# Altium PCB Hvamp_32.PCBDOC (part 5 of 6) (continued)
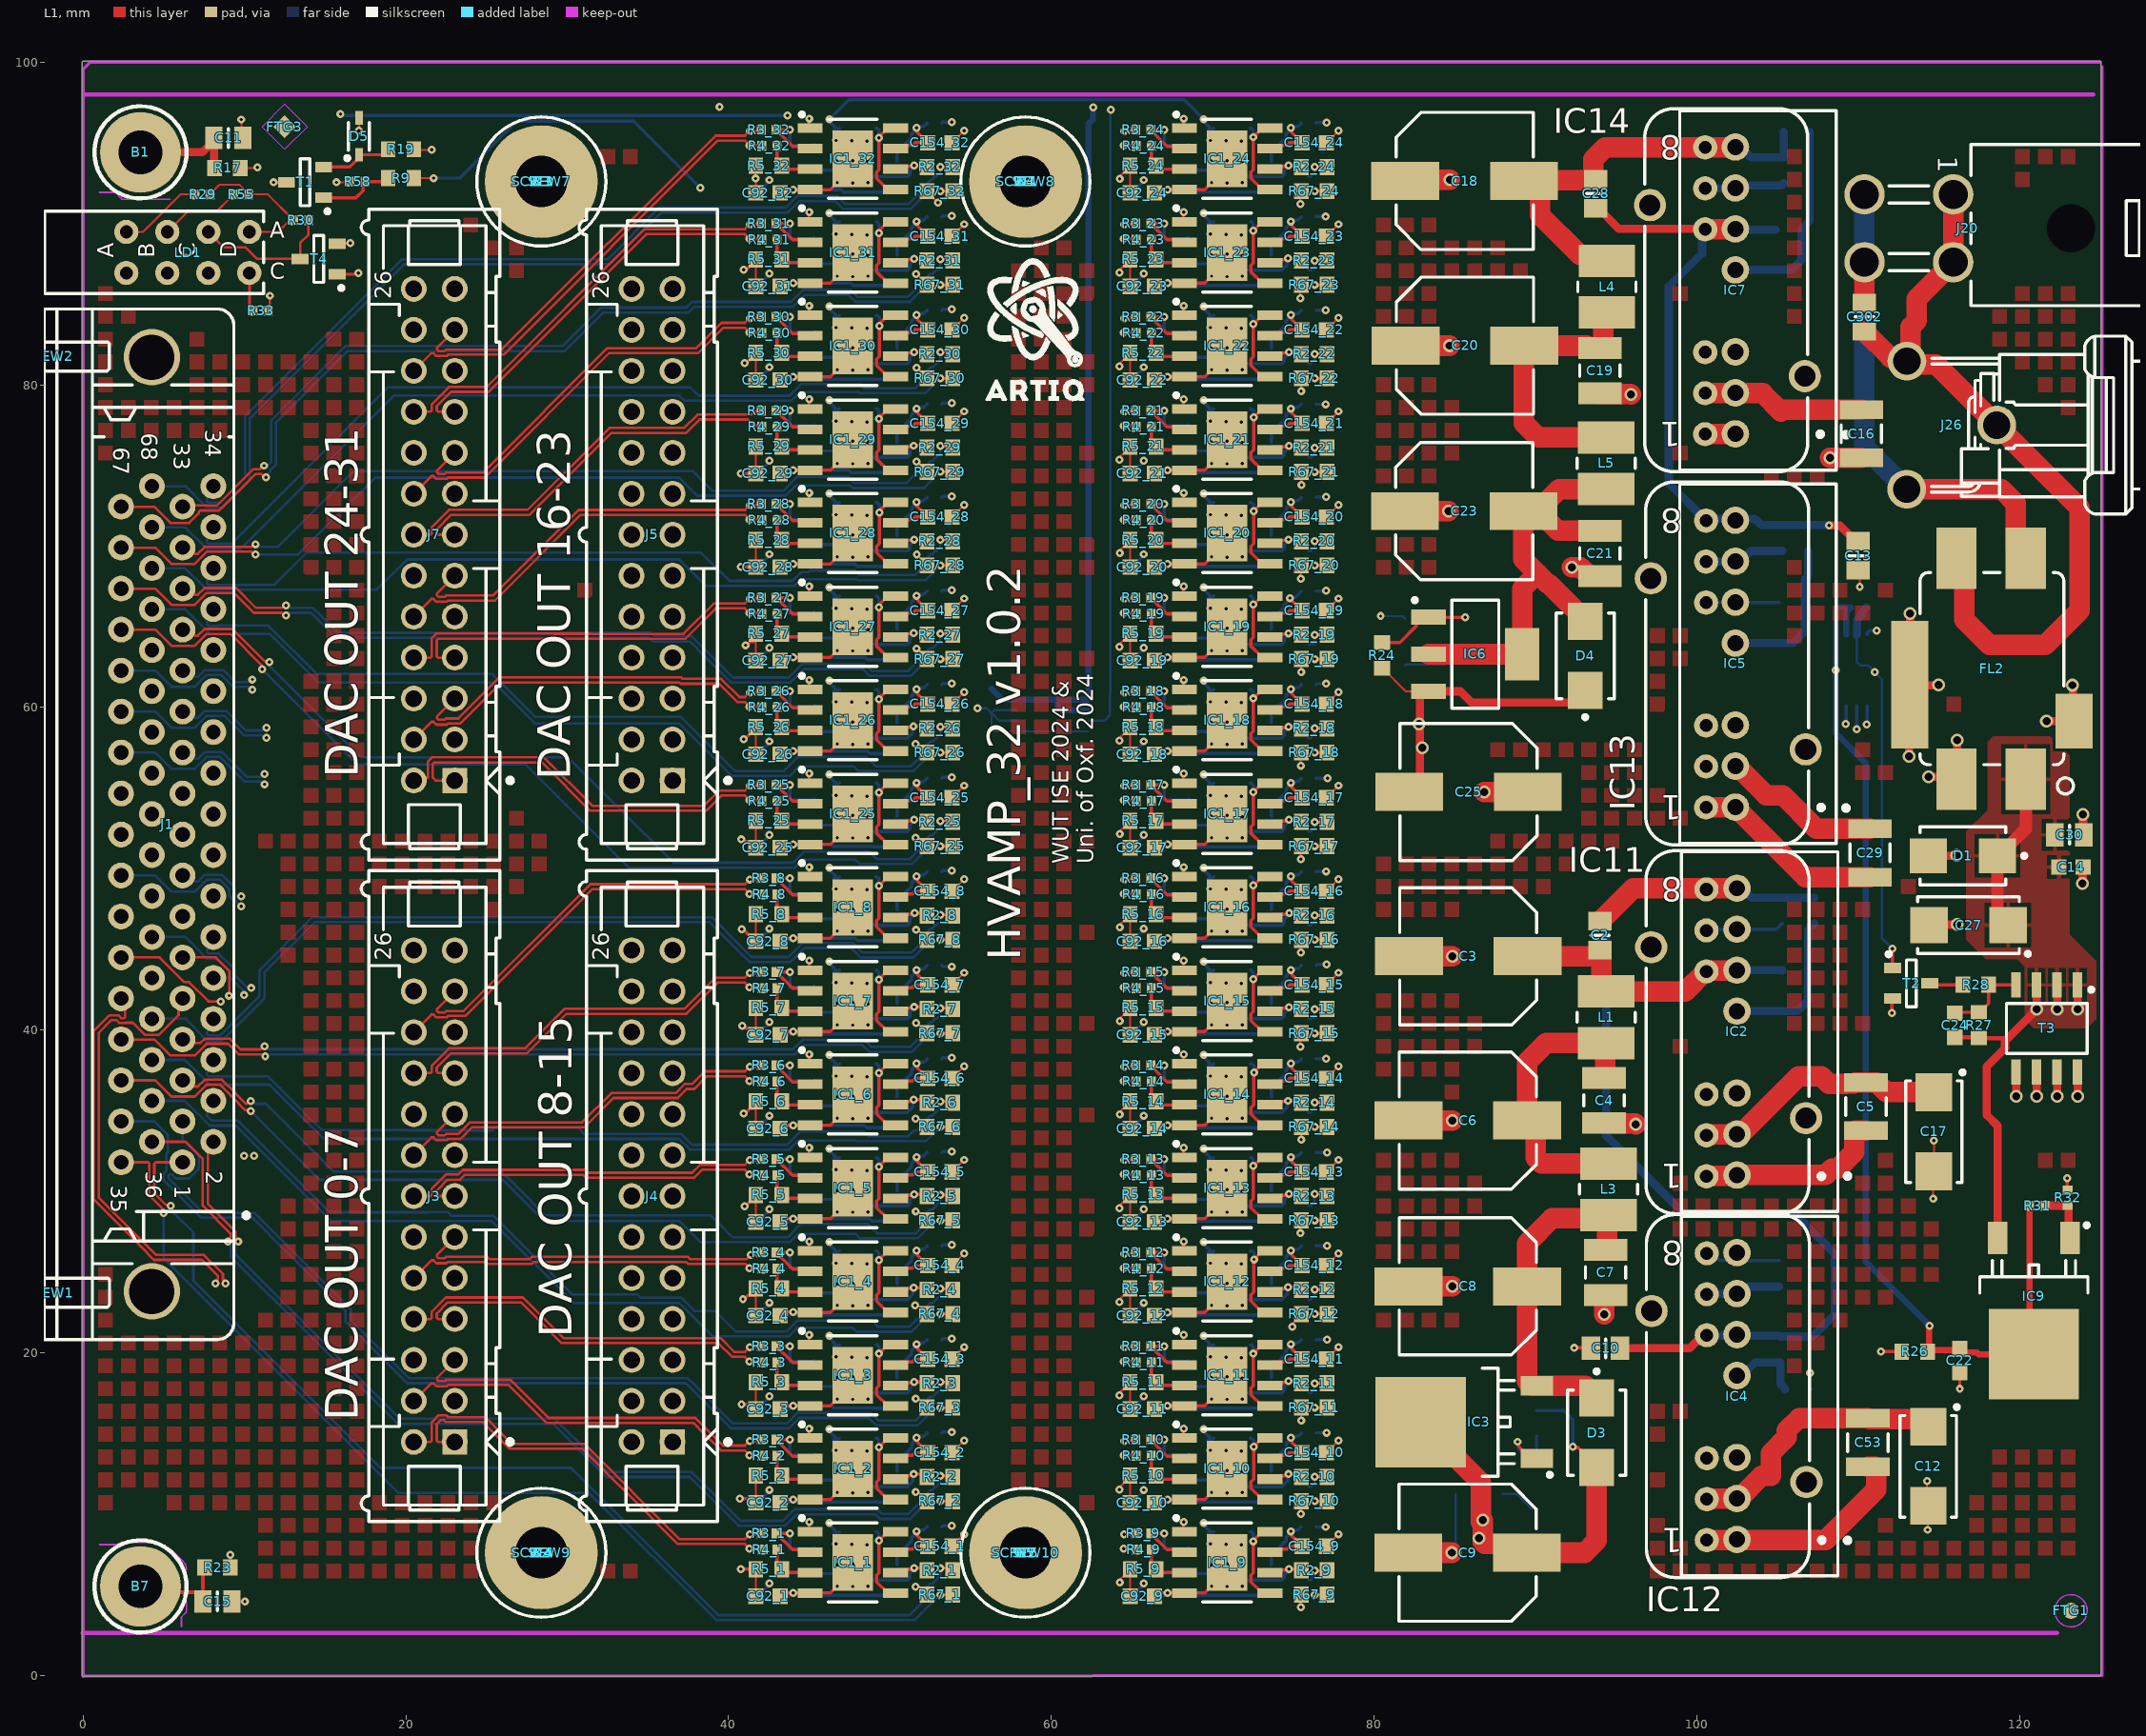
[diagram p0: L1 view]
## Nets (pads, with @x,y where several pads share a name; then routed paths per layer and width w, separated by ;. In a path a pad name is that pad's centre, name@x,y a point inside that pad or via, vN(x,y) a via of type N, cw(c..) or ccw(c..) an arc to the next point about the centre after c; other vN are vias at no path point) (continued)
NetIC1_21_3: IC1_21.3 R4_21.2 R5_21.2 | length 3.2
  L1 w0.203: R4_21.2@66.2,77.4 66.2,76.468 66.703,75.965 IC1_21.3@68.25,75.965
NetIC1_22_3: IC1_22.3 R4_22.2 R5_22.2 | length 3.2
  L1 w0.203: R4_22.2@66.2,83.2 66.2,82.268 66.703,81.765 IC1_22.3@68.25,81.765
NetIC1_23_3: IC1_23.3 R4_23.2 R5_23.2 | length 3.2
  L1 w0.203: R4_23.2@66.2,89 66.2,88.068 66.703,87.565 IC1_23.3@68.25,87.565
NetIC1_24_3: IC1_24.3 R4_24.2 R5_24.2 | length 3.2
  L1 w0.203: R4_24.2@66.2,94.8 66.2,93.868 66.703,93.365 IC1_24.3@68.25,93.365
NetIC1_25_3: IC1_25.3 R4_25.2 R5_25.2 | length 3.2
  L1 w0.203: R4_25.2@43,54.2 43,53.268 43.503,52.765 IC1_25.3@45.05,52.765
NetIC1_26_3: IC1_26.3 R4_26.2 R5_26.2 | length 3.2
  L1 w0.203: R4_26.2@43,60 43,59.068 43.503,58.565 IC1_26.3@45.05,58.565
NetIC1_27_3: IC1_27.3 R4_27.2 R5_27.2 | length 3.2
  L1 w0.203: R4_27.2@43,65.8 43,64.868 43.503,64.365 IC1_27.3@45.05,64.365
NetIC1_28_3: IC1_28.3 R4_28.2 R5_28.2 | length 3.2
  L1 w0.203: R4_28.2@43,71.6 43,70.668 43.503,70.165 IC1_28.3@45.05,70.165
NetIC1_29_3: IC1_29.3 R4_29.2 R5_29.2 | length 3.2
  L1 w0.203: R4_29.2@43,77.4 43,76.468 43.503,75.965 IC1_29.3@45.05,75.965
NetIC1_30_3: IC1_30.3 R4_30.2 R5_30.2 | length 3.2
  L1 w0.203: R4_30.2@43,83.2 43,82.268 43.503,81.765 IC1_30.3@45.05,81.765
NetIC1_31_3: IC1_31.3 R4_31.2 R5_31.2 | length 3.2
  L1 w0.203: R4_31.2@43,89 43,88.068 43.503,87.565 IC1_31.3@45.05,87.565
NetIC1_32_3: IC1_32.3 R4_32.2 R5_32.2 | length 3.2
  L1 w0.203: R4_32.2@43,94.8 43,93.868 43.503,93.365 IC1_32.3@45.05,93.365
NetIC2_5: IC2.5 R6.1 R8.1 | length 9.6
  L6 w0.508: IC2.5@102.5,41.17 106.245,41.17 106.9,41.825 R6.1@106.9,43.7 106.9,46.2 107.054,46.354 107.054,46.404 107.25,46.6 R8.1@107.3,46.6
NetIC3_1: IC3.1 R10.1 R13.2 | length 5.3
  L1 w0.203: v1(88.9,14.478) 88.957,14.421 88.957,14.188 89.698,13.447 IC3.1@90.098,13.447
  L6 w0.203: v1(88.9,14.478) 88.957,14.421 88.957,14.022 89.743,13.236 R13.2@90.068,13.236 90.068,14.796 R10.1@90.094,14.821
NetIC4_5: IC4.5 R11.1 R14.1 | length 4.9
  L6 w0.508: IC4.5@102.5,18.58 102.823,18.58 103.643,19.4 R11.1@105.2,19.4 105.2,18.05 105.5,17.75 R14.1@105.5,17.7
NetIC5_5: IC5.5 R15.1 R18.1 | length 9.7
  L6 w0.508: IC5.5@102.4,63.98 105.966,63.98 106.7,64.714 R15.1@106.7,66.5 106.7,67.927 106.9,68.127 R18.1@106.9,69.7
NetIC6_1: IC6.1 R24.1 R34.2 | length 7.7
  L1 w0.203: R24.1@80.094,64.369 80.443,64.021 R24.1@80.493,64.021 81.603,64.021 82.602,65.02 82.602,65.223 82.976,65.597 IC6.1@83.384,65.597 83.398,65.583 v1(85.649,65.583)
  L6 w0.203: R34.2@84.404,65.56 84.427,65.583 v1(85.649,65.583)
NetIC7_5: IC7.5 R21.1 R25.1 | length 12.5
  L6 w0.508: IC7.5@102.4,87.12 105.891,87.12 106.5,87.729 R21.1@106.5,89.6 106.5,89.65 107,90.15 R25.1@107,95.7
NetIC8_3: IC8.3 IC10.3 R33.1 R46.2 T2.1 | length 213
  L1 w0.152: R33.1@11.47,84.6 11.582,84.712 v1(11.582,85.522)
  L1 w0.203: v1(112.141,45.034) 112.141,43.859 T2.1@112.15,43.85
  L2 w0.152: v1(11.582,85.522) 12.253,86.193 12.253,94.651 16.002,98.4 60.604,98.4 60.909,98.095 60.909,98.069 62.408,96.571 63.221,96.571 v1(63.703,97.053) 64.618,97.968 89.637,97.968 91.999,95.606 91.999,82.017 89.179,79.197 89.179,63.754 91.542,61.392 110.261,61.392 v1(111.049,62.179)
  L6 w0.152: IC8.3@62.3,59.175 63.29,59.175 63.627,59.512 63.627,60.935 63.678,60.985 63.678,97.028 v1(63.703,97.053) ; IC10.3@109.926,64.506 109.926,62.819 110.134,62.611 110.617,62.611 v1(111.049,62.179) 111.481,61.747 111.481,45.695 v1(112.141,45.034)
  L6 w0.508: IC10.3@109.926,64.506 109.955,64.535 109.955,65.446 110.234,65.725 110.234,65.903 110.503,66.172 R46.2@110.503,66.192
NetIC9_1: IC9.1 R31.1 R32.2 | length 3.5
  L1 w0.508: R31.1@121.57,29.1 121.585,29.115 122.985,29.115 R32.2@123,29.13 123.02,29.13 123.056,29.094 123.056,27.194 IC9.1@123.15,27.1
NetLD1_2: LD1.2 R29.1 | length 5.2
  L1 w0.127: LD1.2@2.678,89.476 3.715,89.476 6.039,91.8 R29.1@6.93,91.8
NetLD1_3: LD1.3 T1.3 | length 11.6
  L1 w0.127: v1(11.8,92.55) T1.3@12.6,92.55
  L3 w0.127: LD1.3@5.218,86.936 6.502,88.22 6.502,91.415 7.638,92.55 v1(11.8,92.55)
NetLD1_4: LD1.4 R55.1 | length 5.1
  L1 w0.127: LD1.4@5.218,89.476 6.522,90.78 8.31,90.78 9.084,91.553 9.104,91.553 9.33,91.78 R55.1@9.33,91.8
NetLD1_6: LD1.6 R30.1 T4.3 | length 9
  L1 w0.152: LD1.6@7.758,89.476 8.725,88.509 10.073,88.509 10.782,87.8 T4.3@13.45,87.8 13.45,88.786 13.97,89.306 R30.1@13.97,90.2
NetLD1_7: LD1.7 R33.2 | length 2.4
  L1 w0.152: LD1.7@10.298,86.936 10.316,86.918 10.316,84.814 R33.2@10.53,84.6
NetR9_1: R9.1 R58.2 T1.1 | length 4.8
  L1 w0.203: T1.1@14.9,91.6 16.924,91.6 17.348,92.024 17.348,92.478 R58.2@17.47,92.6 18.7,92.6 R9.1@18.9,92.8
NetR13_1: R13.1 R20.2 | length 2.5
  L6 w0.152: R20.2@87.962,11.252 88.827,11.252 89.743,10.336 R13.1@90.068,10.336
NetR28_1: R28.1 T2.3 | length 2.1
  L1 w0.203: T2.3@114.45,42.9 114.55,42.8 R28.1@116.5,42.8
NetR34_1: R34.1 R35.2 | length 2.5
  L6 w0.152: R35.2@81.94,62.609 81.991,62.66 R34.1@84.404,62.66
OUT_N1: J1.35 R67_1.2 | length 66.9
  L1 w0.152: J1.35@2.355,31.801 4.018,31.801 4.108,31.712 4.108,29.75 4.912,28.946 4.912,28.718 v1(4.978,28.651) ; v1(53.127,5) R67_1.2@53.9,5
  L6 w0.152: v1(4.978,28.651) 4.978,25.883 19.559,11.303 31.37,11.303 39.244,3.429 51.556,3.429 v1(53.127,5)
OUT_N2: J1.36 R67_2.2 | length 63.4
  L1 w0.152: J1.36@4.26,33.071 6.351,33.071 7.417,32.005 7.417,29.106 9.144,27.378 9.144,27.154 8.983,26.993 v1(8.983,26.899) ; v1(53.127,10.8) R67_2.2@53.9,10.8
  L6 w0.152: v1(8.983,26.899) 8.983,26.882 9.144,26.721 9.144,25.96 14.262,20.841 19.508,15.596 29.109,15.596 31.585,13.119 32.411,12.294 37.593,12.294 38.138,11.748 40.615,9.271 43.51,9.271 44.221,9.982 49.098,9.982 49.385,9.695 51.261,9.695 52.285,10.719 52.285,10.828 52.629,11.172 52.755,11.172 v1(53.127,10.8)
OUT_N3: J1.37 R67_3.2 | length 63.4
  L1 w0.152: v1(53.127,16.6) R67_3.2@53.9,16.6
  L6 w0.152: J1.37@2.355,34.341 4.409,34.341 5.263,33.487 5.263,32.432 5.162,32.331 5.162,31.277 4.975,31.089 4.975,30.711 7.332,28.353 10.51,28.353 12.599,26.264 12.815,26.048 16.275,22.588 16.275,21.914 20.079,18.11 37.339,18.11 37.783,17.666 40.145,15.304 43.726,15.304 44.374,15.951 48.693,15.951 48.806,15.837 49.149,15.495 51.739,15.495 52.469,16.225 52.469,16.812 52.629,16.972 52.755,16.972 v1(53.127,16.6)
OUT_N4: J1.38 R67_4.2 | length 56.5
  L1 w0.152: v1(53.127,22.4) R67_4.2@53.9,22.4
  L6 w0.152: J1.38@4.26,35.611 6.314,35.611 7.851,34.074 9.462,34.074 15.367,28.169 25.323,28.169 30.403,23.089 36.948,23.089 39.032,21.006 43.739,21.006 44.286,21.553 47.679,21.553 47.937,21.295 51.33,21.295 52.435,22.4 v1(53.127,22.4)
OUT_N5: J1.39 R67_5.2 | length 57.1
  L1 w0.152: J1.39@2.355,36.881 4.469,36.881 5.473,35.878 6.918,35.878 7.654,36.614 8.486,36.614 9.153,35.947 9.153,35.937 10.056,35.034 10.326,35.034 v1(10.393,34.967) ; v1(53.127,28.2) R67_5.2@53.9,28.2
  L6 w0.152: v1(10.393,34.967) 14.65,30.709 26.01,30.709 28.55,28.169 36.948,28.169 38.27,26.848 43.79,26.848 44.295,27.353 47.881,27.353 48.139,27.095 51.726,27.095 52.764,28.133 53.06,28.133 v1(53.127,28.2)
OUT_N6: J1.40 R67_6.2 | length 52.6
  L1 w0.152: v1(53.127,34) R67_6.2@53.9,34
  L6 w0.152: J1.40@4.26,38.151 6.314,38.151 7.851,36.614 11.544,36.614 14.909,33.249 36.948,33.249 37.609,32.588 43.764,32.588 44.329,33.153 47.865,33.153 47.901,33.117 52.244,33.117 v1(53.127,34)
OUT_N7: J1.41 R67_7.2 | length 54
  L1 w0.152: J1.41@2.355,39.421 2.368,39.409 4.421,39.409 5.412,38.418 6.918,38.418 7.654,39.154 8.981,39.154 9.641,38.494 11.073,38.494 11.196,38.371 v1(11.29,38.371) ; v1(53.127,39.8) R67_7.2@53.9,39.8
  L6 w0.152: v1(11.29,38.371) 11.384,38.371 11.507,38.494 44.13,38.494 44.726,39.091 48.286,39.091 48.375,39.002 48.732,38.645 51.37,38.645 52.406,39.681 52.406,39.949 52.629,40.172 52.755,40.172 v1(53.127,39.8)
OUT_N8: J1.42 R67_8.2 | length 56.8
  L1 w0.152: v1(53.127,45.6) R67_8.2@53.9,45.6
  L6 w0.152: J1.42@4.26,40.691 6.351,40.691 7.379,39.663 7.379,39.626 7.647,39.358 8.622,39.358 11.233,41.969 11.233,43.568 14.351,46.685 38.837,46.685 40.78,44.742 41.301,44.221 43.84,44.221 44.704,45.085 47.6,45.085 47.81,44.876 48.19,44.495 51.471,44.495 52.285,45.309 52.285,45.628 52.629,45.972 52.755,45.972 v1(53.127,45.6)
OUT_N9: J1.43 R67_9.2 | length 108.1
  L1 w0.152: J1.43@2.355,41.961 2.6,41.716 2.6,40.818 2.511,40.729 2.384,40.729 2.193,40.921 1.638,40.921 0.66,39.943 0.66,29.49 3.544,26.607 4.396,25.754 7.363,25.754 8.357,24.761 8.357,24.538 8.196,24.376 v1(8.196,24.282) ; v1(76.327,5) R67_9.2@77.1,5
  L4 w0.152: v1(8.196,24.282) 8.267,24.282 8.357,24.193 8.357,16.739 14.529,10.566 20.155,4.941 22.797,4.941 24.817,2.921 72.721,2.921 75.398,5.598 75.729,5.598 76.238,5.598 76.327,5.508 v1(76.327,5)
OUT_N10: J1.44 R67_10.2 | length 109
  L1 w0.152: v1(9.974,32.207) v1@9.974,32.301 ; v1(76.327,10.8) R67_10.2@77.1,10.8
  L2 w0.152: J1.44@4.26,43.231 6.351,43.231 7.354,42.228 8.486,42.228 9.122,42.864 9.136,42.864 9.403,43.132 9.403,43.313 9.766,43.676 11.392,43.676 12.471,42.596 12.471,35.741 10.135,33.404 10.135,32.462 9.974,32.301 v1(9.974,32.207)
  L4 w0.152: v1(9.974,32.207) 9.974,32.113 10.135,31.952 10.135,20.651 16.625,14.161 18.418,12.367 43.946,12.367 45.359,10.954 46.28,10.033 49.961,10.033 50.521,10.593 50.521,12.725 50.978,13.183 54.535,13.183 54.725,12.992 55.119,12.598 66.827,12.598 68.745,10.679 69.126,10.299 73.291,10.299 74.117,11.125 75.318,11.125 75.59,11.398 75.729,11.398 76.238,11.398 76.327,11.308 v1(76.327,10.8)
OUT_N11: J1.45 R67_11.2 | length 100.6
  L1 w0.152: J1.45@2.355,44.501 4.746,44.501 6.283,42.964 6.581,42.964 7.769,41.776 v1(8.527,41.776) ; v1(76.327,16.6) R67_11.2@77.1,16.6
  L4 w0.152: v1(8.527,41.776) 8.587,41.716 8.754,41.716 9.309,41.161 9.309,40.779 10.274,39.815 10.274,39.407 10.122,39.255 10.122,38.468 14.148,34.442 14.148,21.489 15.761,19.876 17.47,18.167 44.267,18.167 45.733,16.701 46.61,15.824 49.598,15.824 50.343,16.569 50.343,18.415 51.178,19.25 53.623,19.25 53.81,19.063 54.706,18.167 67.305,18.167 68.212,17.26 69.627,15.845 74.595,15.845 75.328,16.578 75.328,16.885 75.641,17.198 75.729,17.198 76.238,17.198 76.327,17.108 v1(76.327,16.6)
OUT_N12: J1.46 R67_12.2 | length 93.1
  L1 w0.152: v1(76.327,22.4) R67_12.2@77.1,22.4
  L4 w0.152: v1(9.983,42.164) 10.033,42.215 10.16,42.215 10.675,41.7 15.596,36.779 15.596,28.042 17.895,25.743 18.815,24.823 18.815,24.454 19.952,23.317 39.853,23.317 40.503,23.967 44.029,23.967 44.692,23.305 46.305,21.692 49.606,21.692 50.521,22.606 50.521,23.978 51.296,24.753 53.81,24.753 54.433,24.13 67.514,24.13 68.568,23.076 69.8,21.844 74.244,21.844 75.398,22.998 75.743,22.998 76.327,22.413 v1(76.327,22.4)
  L6 w0.152: J1.46@4.26,45.771 6.351,45.771 7.379,44.743 7.379,44.706 7.647,44.438 8.282,44.438 9.089,43.631 9.089,43.286 9.916,42.459 9.916,42.231 v1(9.983,42.164)
OUT_N13: J1.47 R67_13.2 | length 92.8
  L1 w0.152: v1(76.327,28.2) R67_13.2@77.1,28.2
  L4 w0.152: J1.47@2.355,47.041 4.409,47.041 5.263,46.187 5.263,45.187 5.162,45.086 5.162,44.086 5.749,43.498 6.581,43.498 7.168,44.086 7.168,44.529 7.258,44.619 7.384,44.619 7.539,44.463 9.359,44.463 9.855,43.967 16.777,37.046 16.777,32.906 16.866,32.817 17.082,32.601 18.873,30.81 38.075,30.81 38.469,30.417 39.112,29.774 43.765,29.774 45.459,28.079 46.183,27.356 49.288,27.356 50.025,28.093 50.025,29.909 50.8,30.683 53.417,30.683 53.582,30.518 54.327,29.774 67.331,29.774 68.263,28.842 69.495,27.61 74.336,27.61 74.8,28.074 74.8,28.21 75.387,28.798 76.039,28.798 76.111,28.87 76.238,28.87 76.327,28.781 v1(76.327,28.2)
OUT_N14: J1.48 R67_14.2 | length 83.9
  L1 w0.152: v1(76.327,34) R67_14.2@77.1,34
  L4 w0.152: J1.48@4.26,48.311 6.351,48.311 7.168,47.494 7.168,47.327 7.721,46.774 8.486,46.774 17.551,37.709 17.551,37.009 17.641,36.919 18.771,35.789 24.866,35.789 24.905,35.75 31.305,35.75 31.458,35.903 37.605,35.903 37.935,35.574 44.412,35.574 45.86,34.125 46.635,33.35 49.481,33.35 50.622,34.491 50.622,35.672 51.6,36.65 53.318,36.65 53.429,36.538 54.23,35.738 67.392,35.738 68.745,34.384 69.831,33.299 73.228,33.299 74.219,34.29 75.434,34.29 75.679,34.534 75.831,34.534 76.327,34.039 v1(76.327,34)
OUT_N15: J1.49 R67_15.2 | length 83.6
  L1 w0.152: v1(76.327,39.8) R67_15.2@77.1,39.8
  L4 w0.152: v1(9.804,47.667) 9.821,47.667 9.982,47.828 10.832,47.828 17.386,41.274 18.541,41.274 18.657,41.39 19.659,41.39 19.951,41.098 40.971,41.098 41.224,41.351 43.568,41.351 43.584,41.334 44.33,40.589 45.288,40.589 46.685,39.192 48.693,39.192 50.952,41.452 50.952,41.702 51.4,42.15 53.583,42.15 53.81,41.923 54.281,41.453 66.65,41.453 68.161,39.942 68.759,39.345 73.747,39.345 74.8,40.398 75.755,40.398 75.844,40.308 75.844,40.283 v1(76.327,39.8)
  L6 w0.152: J1.49@2.355,49.581 4.469,49.581 5.473,48.578 6.918,48.578 7.654,49.314 8.486,49.314 9.073,48.727 9.073,48.292 9.352,48.013 9.445,48.013 9.79,47.667 v1(9.804,47.667)
OUT_N16: J1.50 R67_16.2 | length 79.9
  L1 w0.152: v1(76.327,45.6) R67_16.2@77.1,45.6
  L4 w0.152: J1.50@4.26,50.851 4.273,50.839 6.363,50.839 7.379,49.823 7.379,49.786 7.647,49.518 10.783,49.518 10.884,49.416 13.127,47.174 44.166,47.174 45.657,45.682 46.494,44.845 49.465,44.845 50.419,45.799 50.419,47.396 51.333,48.311 54.204,48.311 54.623,47.892 55.347,47.168 67.562,47.168 68.745,45.984 69.885,44.845 73.166,44.845 74.397,46.076 75.656,46.076 75.715,46.134 75.857,46.134 76.327,45.664 v1(76.327,45.6)
OUT_N17: J1.53 R67_17.2 | length 82.5
  L1 w0.152: v1(76.327,51.4) R67_17.2@77.1,51.4
  L4 w0.152: J1.53@2.355,54.661 2.6,54.416 2.6,53.633 4.378,51.854 5.013,51.854 5.749,51.118 6.653,51.118 7.529,51.994 10.439,51.994 11.379,52.934 44.451,52.934 45.758,51.626 46.739,50.645 48.917,50.645 50.025,51.753 50.025,52.946 50.724,53.645 54.255,53.645 54.369,53.531 55.017,52.883 67.336,52.883 68.669,51.55 69.394,50.825 74.447,50.825 75.62,51.998 75.729,51.998 76.238,51.998 76.327,51.908 v1(76.327,51.4)
OUT_N18: J1.54 R67_18.2 | length 81.2
  L1 w0.152: v1(76.327,57.2) R67_18.2@77.1,57.2
  L4 w0.152: J1.54@4.26,55.931 4.273,55.919 6.439,55.919 7.311,55.046 7.963,54.394 9.462,54.394 9.983,53.873 16.485,53.873 19.202,56.591 28.296,56.591 30.785,59.08 37.847,59.08 37.961,58.966 38.16,58.767 44.332,58.767 45.631,57.468 46.534,56.566 49.098,56.566 50.825,58.293 50.825,59.106 51.92,60.2 53.694,60.2 54.14,59.754 54.966,58.928 66.897,58.928 68.745,57.079 69.386,56.439 72.898,56.439 73.838,57.379 75.165,57.379 75.521,57.734 75.857,57.734 76.327,57.264 v1(76.327,57.2)
OUT_N19: J1.55 R67_19.2 | length 85.6
  L1 w0.152: v1(76.327,63) R67_19.2@77.1,63
  L4 w0.152: v1(11.252,55.236) 11.252,55.308 11.341,55.397 16.18,55.397 20.015,59.233 27.381,59.233 32.334,64.186 38.227,64.186 38.557,64.516 44.079,64.516 46.213,62.382 49.831,62.382 50.546,63.097 50.546,64.567 51.46,65.481 53.696,65.481 53.861,65.316 54.408,64.77 67.025,64.77 69.55,62.245 74.259,62.245 75.057,63.044 75.057,63.242 75.413,63.598 75.729,63.598 76.238,63.598 76.327,63.508 v1(76.327,63)
  L6 w0.152: J1.55@2.355,57.201 4.469,57.201 5.473,56.198 6.918,56.198 7.654,56.934 8.486,56.934 10.023,55.397 10.997,55.397 11.158,55.236 v1(11.252,55.236)
OUT_N20: J1.56 R67_20.2 | length 88
  L1 w0.152: v1(76.327,68.8) R67_20.2@77.1,68.8
  L4 w0.152: J1.56@4.26,58.471 4.505,58.226 4.505,57.443 5.749,56.198 6.581,56.198 7.317,56.934 13.995,56.934 14.11,56.82 15.442,56.82 18.898,60.275 18.898,60.759 19.911,61.773 26.618,61.773 29.261,64.415 29.261,67.742 30.759,69.24 38.837,69.24 40.056,70.46 43.886,70.46 45.666,68.679 46.3,68.045 49.985,68.045 50.571,68.632 50.571,70.11 51.785,71.323 54.535,71.323 54.75,71.108 55.347,70.51 67.082,70.51 68.187,69.406 69.317,68.275 74.32,68.275 75.443,69.398 75.729,69.398 76.238,69.398 76.327,69.308 v1(76.327,68.8)
OUT_N21: J1.57 R67_21.2 | length 94
  L1 w0.152: v1(76.327,74.6) R67_21.2@77.1,74.6
  L4 w0.152: v1(11.354,58.107) 11.354,58.141 11.481,58.268 13.106,58.268 13.716,58.877 14.706,58.877 16.51,60.681 16.51,62.509 18.11,64.11 25.12,64.11 27.153,66.142 27.153,71.857 32.246,76.95 38.596,76.95 39.372,76.174 43.895,76.174 45.084,74.984 45.99,74.079 49.948,74.079 50.571,74.702 50.571,76.429 51.206,77.064 53.671,77.064 53.988,76.746 54.535,76.2 67.26,76.2 68.745,74.714 69.444,74.016 74.32,74.016 75.502,75.198 75.729,75.198 76.238,75.198 76.327,75.108 v1(76.327,74.6)
  L6 w0.152: J1.57@2.355,59.741 4.469,59.741 5.473,58.738 6.918,58.738 7.654,59.474 8.758,59.474 9.965,58.268 11.099,58.268 11.26,58.107 v1(11.354,58.107)
OUT_N22: J1.58 R67_22.2 | length 92.5
  L1 w0.152: v1(76.327,80.4) R67_22.2@77.1,80.4
  L4 w0.152: J1.58@4.26,61.011 6.351,61.011 7.379,59.983 7.379,59.946 7.647,59.678 13.119,59.678 14.707,61.266 14.707,63.576 17.78,66.65 23.697,66.65 24.638,67.59 24.638,74.371 32.24,81.974 44.265,81.974 45.885,80.353 46.381,79.858 48.692,79.858 51.867,83.033 53.569,83.033 54.013,82.588 54.535,82.067 66.803,82.067 68.441,80.429 69.063,79.807 74.207,79.807 74.8,80.4 74.942,80.4 75.54,80.998 75.729,80.998 76.238,80.998 76.327,80.908 v1(76.327,80.4)
OUT_N23: J1.59 R67_23.2 | length 97.6
  L1 w0.152: v1(76.327,86.2) R67_23.2@77.1,86.2
  L4 w0.152: v1(10.49,61.104) 10.49,61.163 10.592,61.265 12.217,61.265 13.335,62.383 13.335,63.907 18.491,69.063 18.491,77.902 19.914,79.324 20.072,79.324 20.077,79.329 25.481,79.329 33.926,87.774 44.206,87.774 45.758,86.221 46.305,85.674 49.605,85.674 49.955,86.024 49.955,87.013 51.397,88.456 54.013,88.456 54.712,87.757 67.112,87.757 68.284,86.584 69.024,85.845 74.085,85.845 75.037,86.798 75.729,86.798 76.238,86.798 76.327,86.708 v1(76.327,86.2)
  L6 w0.152: J1.59@2.355,62.281 4.469,62.281 5.473,61.278 6.918,61.278 7.654,62.014 8.555,62.014 9.305,61.265 10.235,61.265 10.396,61.104 v1(10.49,61.104)
OUT_N24: J1.60 R67_24.2 | length 96.2
  L1 w0.152: v1(76.327,92) R67_24.2@77.1,92
  L4 w0.152: J1.60@4.26,63.551 6.351,63.551 7.379,62.523 7.379,62.486 7.647,62.218 8.622,62.218 10.566,64.162 10.566,65.914 15.672,71.019 15.672,77.495 20.117,81.94 26.06,81.94 41.377,97.257 59.64,97.257 61.811,95.085 63.329,93.567 67.102,93.567 68.284,92.384 69.229,91.44 74.24,91.44 75.398,92.598 75.729,92.598 76.238,92.598 76.327,92.508 v1(76.327,92)
OUT_N25: J1.61 R67_25.2 | length 59.2
  L1 w0.152: J1.61@2.355,64.821 4.469,64.821 5.473,63.818 6.918,63.818 7.654,64.554 9.132,64.554 11.034,62.652 11.034,62.424 v1(11.101,62.358) ; v1(53.127,51.4) R67_25.2@53.9,51.4
  L6 w0.152: v1(11.101,62.358) 16.989,56.469 27.398,56.469 33.804,50.063 44.12,50.063 44.61,50.553 47.857,50.553 48.115,50.295 51.362,50.295 52.467,51.4 v1(53.127,51.4)
OUT_N26: J1.62 R67_26.2 | length 54.8
  L1 w0.152: v1(53.127,57.2) R67_26.2@53.9,57.2
  L6 w0.152: J1.62@4.26,66.091 6.314,66.091 7.851,64.554 11.566,64.554 14.571,61.549 25.446,61.549 27.986,59.009 36.948,59.009 40.204,55.753 43.775,55.753 44.375,56.353 47.757,56.353 48.065,56.045 51.447,56.045 52.602,57.2 v1(53.127,57.2)
OUT_N27: J1.63 R67_27.2 | length 56.1
  L1 w0.152: J1.63@2.355,67.361 4.469,67.361 5.473,66.358 6.918,66.358 7.654,67.094 9.355,67.094 10.587,65.862 12.318,65.862 12.479,65.701 v1(12.573,65.701) ; v1(53.127,63) R67_27.2@53.9,63
  L6 w0.152: v1(12.573,65.701) 12.573,65.773 12.662,65.862 14.122,65.862 14.707,65.278 15.666,64.318 34.534,64.318 34.554,64.338 35.052,64.338 35.301,64.089 37.613,64.089 38.57,63.132 40.158,61.544 43.84,61.544 44.679,62.382 48.312,62.382 48.349,62.345 48.743,61.951 51.27,61.951 52.432,63.112 52.432,63.175 52.629,63.372 52.755,63.372 v1(53.127,63)
OUT_N28: J1.64 R67_28.2 | length 52.2
  L1 w0.152: v1(53.127,68.8) R67_28.2@53.9,68.8
  L6 w0.152: J1.64@4.26,68.631 6.314,68.631 7.647,67.298 18.205,67.298 20.077,69.169 36.948,69.169 38.579,67.539 44.095,67.539 44.51,67.953 47.922,67.953 47.981,67.894 52.221,67.894 v1(53.127,68.8)
OUT_N29: J1.65 R67_29.2 | length 55.5
  L1 w0.152: J1.65@2.355,69.901 4.469,69.901 5.473,68.898 6.918,68.898 7.667,69.647 10.438,69.647 10.599,69.486 v1(10.693,69.486) ; v1(53.127,74.608) 53.892,74.608 R67_29.2@53.9,74.6
  L6 w0.152: v1(10.693,69.486) 13.338,69.486 18.102,74.249 36.948,74.249 38.071,73.127 43.531,73.127 44.158,73.753 47.533,73.753 47.686,73.6 52.119,73.6 v1(53.127,74.608)
OUT_N30: J1.66 R67_30.2 | length 54.9
  L1 w0.152: v1(53.127,80.4) R67_30.2@53.9,80.4
  L6 w0.152: J1.66@4.26,71.171 6.314,71.171 7.647,69.838 9.778,69.838 19.269,79.329 36.948,79.329 37.258,79.019 43.917,79.019 44.45,79.553 48.031,79.553 48.108,79.477 52.204,79.477 v1(53.127,80.4)
OUT_N31: J1.67 R67_31.2 | length 60.6
  L1 w0.152: J1.67@2.355,72.441 4.409,72.441 5.412,71.438 6.581,71.438 7.168,72.026 7.168,72.123 7.258,72.212 8.421,72.212 10.674,74.466 11.065,74.466 11.279,74.252 v1(11.328,74.252) ; v1(53.127,86.2) R67_31.2@53.9,86.2
  L6 w0.152: v1(11.328,74.252) 11.328,74.346 11.607,74.625 11.607,74.727 11.963,75.083 11.963,77.673 16.383,82.093 29.845,82.093 32.233,84.48 37.516,84.48 37.871,84.836 43.993,84.836 44.729,85.573 47.446,85.573 47.484,85.534 47.878,85.141 51.232,85.141 52.394,86.303 52.394,86.337 52.629,86.572 52.755,86.572 v1(53.127,86.2)
OUT_N32: J1.68 R67_32.2 | length 61.4
  L1 w0.152: v1(53.127,92) R67_32.2@53.9,92
  L6 w0.152: J1.68@4.26,73.711 6.351,73.711 7.379,72.683 7.379,72.646 7.647,72.378 8.622,72.378 10.338,74.093 10.338,77.907 19.899,87.468 32.629,87.468 35.839,90.678 43.682,90.678 44.394,91.389 46.61,91.389 46.698,91.301 47.092,90.907 51.282,90.907 52.521,92.146 52.521,92.264 52.629,92.372 52.755,92.372 v1(53.127,92)
OUT_P1: D21_1.3 J1.1 R2_1.2 | length 67.8
  L1 w0.152: v1(5.422,29.095) 5.355,29.161 5.127,29.161 4.412,29.876 4.412,31.712 4.502,31.801 J1.1@6.165,31.801 ; v1(53.127,6.629) 53.771,6.629 R2_1.2@53.9,6.5
  L6 w0.152: v1(5.422,29.095) 5.488,29.028 5.488,28.8 6.833,27.456 6.833,24.46 16.726,14.567 18.44,12.852 30.251,12.852 36.411,6.693 39.37,3.734 51.232,3.734 52.183,4.685 52.183,5.357 52.503,5.677 52.655,5.677 53.127,6.149 v1(53.127,6.629)
OUT_P2: D21_2.3 J1.2 R2_2.2 | length 61.1
  L1 w0.152: J1.2@8.07,33.071 8.07,32.679 7.722,32.331 7.722,29.232 9.449,27.505 9.449,27.154 9.61,26.993 v1(9.61,26.899) ; v1(53.127,12.354) 53.846,12.354 R2_2.2@53.9,12.3
  L6 w0.152: v1(9.61,26.899) 9.61,26.882 9.449,26.721 9.449,26.086 14.262,21.272 19.634,15.9 29.235,15.9 31.585,13.551 32.537,12.598 37.719,12.598 38.138,12.179 40.742,9.576 43.384,9.576 44.095,10.287 49.224,10.287 49.314,10.198 49.511,10 51.135,10 51.981,10.845 51.981,10.954 52.503,11.477 52.598,11.477 D21_2.3@52.822,11.7 ; D21_2.3@52.75,11.7 D21_2.3@52.822,11.7 ; v1(53.127,12.354) 53.127,11.949 52.878,11.7 D21_2.3@52.822,11.7
OUT_P3: D21_3.3 J1.3 R2_3.2 | length 63.2
  L1 w0.152: v1(53.137,18.186) 53.814,18.186 R2_3.2@53.9,18.1
  L6 w0.152: J1.3@6.165,34.341 6.165,33.22 7.168,32.217 7.168,31.386 6.581,30.798 5.749,30.798 5.495,31.052 5.369,31.052 5.28,30.963 5.28,30.837 7.458,28.658 10.636,28.658 16.58,22.714 16.58,22.04 20.205,18.415 37.465,18.415 37.783,18.097 40.271,15.609 43.6,15.609 44.248,16.256 48.819,16.256 49.275,15.8 51.613,15.8 52.165,16.351 52.165,16.938 52.503,17.277 52.665,17.277 53.137,17.749 v1(53.137,18.186)
OUT_P4: D21_4.3 J1.4 R2_4.2 | length 54.7
  L1 w0.152: v1(53.127,23.978) 53.822,23.978 R2_4.2@53.9,23.9
  L6 w0.152: J1.4@8.07,35.611 8.07,35.219 7.684,34.834 7.684,34.672 7.958,34.398 9.569,34.398 15.264,28.703 21.311,28.703 21.335,28.727 22.592,28.727 22.846,28.474 25.449,28.474 26.137,27.787 30.3,23.623 34.339,23.623 34.568,23.394 37.074,23.394 37.888,22.581 39.191,22.581 39.281,22.491 40.461,21.311 43.613,21.311 44.298,21.996 48.883,21.996 49.279,21.6 51.204,21.6 51.981,22.377 51.981,22.554 52.503,23.077 52.655,23.077 53.127,23.549 v1(53.127,23.978)
OUT_P5: D21_5.3 J1.5 R2_5.2 | length 54.4
  L1 w0.152: J1.5@6.165,36.881 6.557,36.881 6.943,36.495 7.104,36.495 7.528,36.919 8.612,36.919 9.458,36.073 9.458,36.063 10.088,35.433 10.137,35.433 10.299,35.594 v1(10.393,35.594) ; v1(53.127,29.769) 53.831,29.769 R2_5.2@53.9,29.7
  L6 w0.152: v1(10.393,35.594) 10.487,35.594 10.648,35.433 11.328,35.433 12.688,34.074 15.545,31.217 25.933,31.217 26.861,30.289 28.626,28.524 38.887,28.524 39.154,28.257 40.259,27.153 43.663,27.153 44.502,27.991 48.616,27.991 49.206,27.4 51.6,27.4 52.183,27.984 52.183,28.557 52.503,28.877 52.655,28.877 53.127,29.349 v1(53.127,29.769)
OUT_P6: D21_6.3 J1.6 R2_6.2 | length 50.9
  L1 w0.152: v1(53.127,35.56) 53.84,35.56 R2_6.2@53.9,35.5
  L6 w0.152: J1.6@8.07,38.151 8.07,37.759 7.684,37.374 7.684,37.212 7.773,37.123 11.467,37.123 12.204,36.385 14.794,33.796 20.114,33.796 20.127,33.783 25.35,33.783 25.515,33.947 30.67,33.947 31.063,33.554 37.074,33.554 37.735,32.893 43.638,32.893 44.442,33.697 48.396,33.697 48.671,33.422 51.141,33.422 51.474,33.755 51.643,33.755 52.127,34.239 52.127,34.301 52.503,34.677 52.598,34.677 53.071,35.149 53.127,35.149 v1(53.127,35.56)
OUT_P7: D21_7.3 J1.7 R2_7.2 | length 50.3
  L1 w0.152: J1.7@6.165,39.421 6.385,39.201 7.27,39.201 7.528,39.459 9.107,39.459 9.767,38.799 10.997,38.799 11.195,38.997 v1(11.25,38.997) ; v1(53.137,41.351) 53.849,41.351 R2_7.2@53.9,41.3
  L6 w0.152: v1(11.25,38.997) 11.309,38.997 11.507,38.799 44.003,38.799 44.6,39.395 48.412,39.395 48.858,38.95 51.244,38.95 52.101,39.808 52.101,40.075 52.503,40.477 52.598,40.477 D21_7.3@52.822,40.7 ; D21_7.3@52.75,40.7 D21_7.3@52.822,40.7 ; v1(53.137,41.351) 53.137,40.949 52.888,40.7 D21_7.3@52.822,40.7